# Altium PCB Dashcam_V2.0E.PcbDoc (part 8 of 8)
Units mil, origin at the board's own origin, x right, y up, seen from the top; angles counter-clockwise.
Board outline 3544.65 x 2560.37 mil, 8 copper layers (TOP, L2_GND, L3_IN1, L4_IN2, L5_PWR2, L6_PWR1, L7_GND_2, BOTTOM), stack 48.184 mil thick; 411 components, 365 nets, 2257 pads, 1045 vias.
Unrouted connection lines stored in the file: 2.
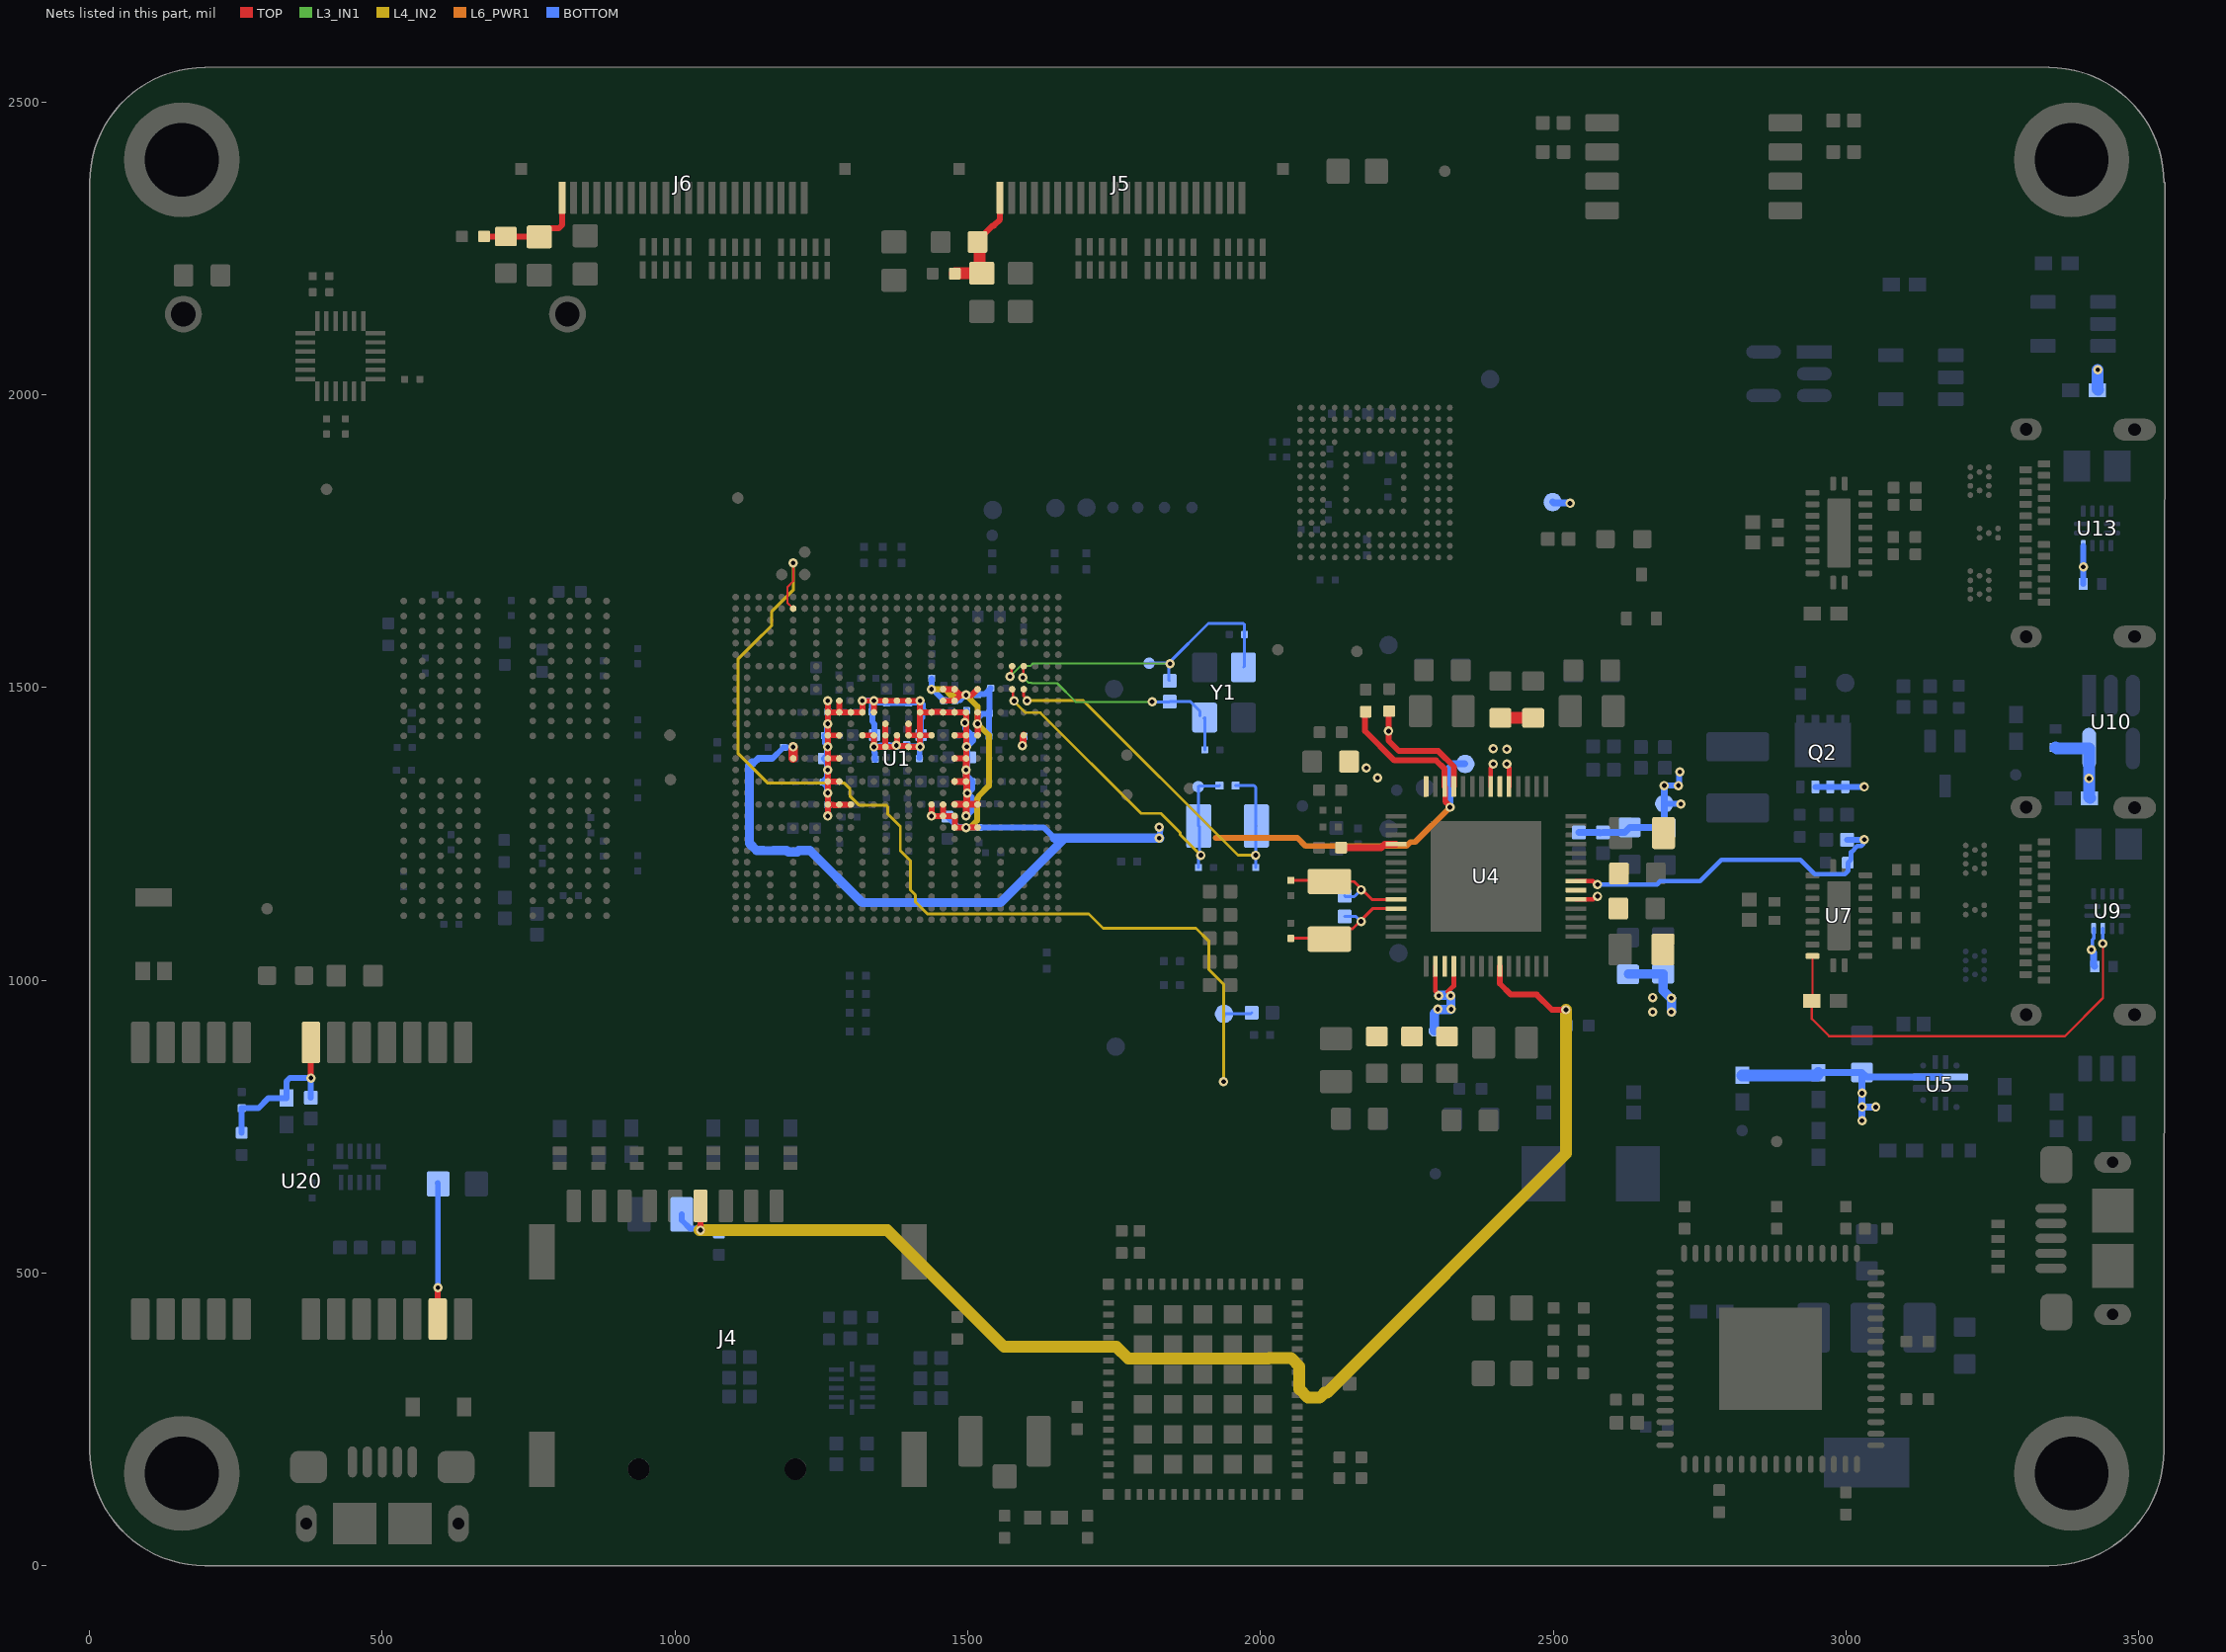
[diagram p14: the nets of this part, all layers, seen from the top]

## Via types
v1: diameter 15.98, hole 8, TOP to BOTTOM, tented both sides, 645 vias
v2: diameter 15.98, hole 7.99, TOP to BOTTOM, tented both sides, 382 vias
v3: diameter 15.98, hole 7.99, TOP to BOTTOM, 8 vias
v4: diameter 19.68, hole 7.87, TOP to BOTTOM, 6 vias
v5: diameter 19.68, hole 19.68, TOP to BOTTOM, 4 vias

## Nets (pads, with @x,y where several pads share a name; then routed paths per layer and width w, separated by ;. In a path a pad name is that pad's centre, name@x,y a point inside that pad or via, vN(x,y) a via of type N, cw(c..) or ccw(c..) an arc to the next point about the centre after c; other vN are vias at no path point) (continued)
VDD_RES: R57.1 U7.9 U9.11 | length 763.4
  TOP w4.02: U7.9@2942.91,1041.34 2942.91,965.55 R57.1@2941.93,964.57 2941.93,934.06 2971.46,904.53 3374.02,904.53 3439.24,969.75 3439.24,1062.05 v1(3438.68,1062.61)
  BOTTOM w6: v1(3438.68,1062.61) 3438.83,1062.76 3438.83,1088.43 U9.11@3438.98,1088.58
VDD_SNVS_0V8: C6.2 U1.N26 | length 35.4
  TOP w11.81: v2(1593.38,1400.81) 1594.17,1401.61 1594.17,1416.9 U1.N26@1595.58,1418.31
  BOTTOM w11.81: v2(1593.38,1400.81) 1594.17,1401.61 1594.17,1414.7 C6.2@1596.15,1416.68
VDD_SOC: C25.2 C26.2 C27.2 C28.2 C29.2 C30.2 C31.2 C32.2 C38.2 C39.2 C40.2 C41.2 C46.2 C47.2 C48.2 C49.2 C50.2 C51.2 C52.2 C53.2 C107.2 C108.2 C112.2 C113.2 L2.2 L3.2 R37.2 R38.2 TP1.1 TP40.1 U1.K10 U1.K14 U1.K15 U1.K16 U1.L9 U1.L10 U1.L11 U1.L12 U1.L13 U1.L17 U1.L18 U1.L19 U1.L20 U1.L21 U1.M14 U1.M16 U1.N9 U1.N10 U1.N12 U1.N13 U1.N14 U1.N15 U1.N16 U1.N17 U1.N18 U1.N20 U1.N21 U1.P14 U1.P16 U1.R9 U1.R10 U1.R20 U1.R21 U1.U9 U1.U10 U1.U20 U1.U21 U1.W9 U1.W10 U1.W11 U1.W20 U1.W21 U1.W22 | length 2399.4
  TOP w10: v2(1260.94,1280.51) U1.W9@1260.94,1300.2 ; v2@1260.94,1437.99 U1.L9@1260.94,1457.68 ; v2(1260.94,1477.36) U1.L9@1260.94,1457.68 ; v2(1260.98,1437.99) 1260.94,1437.95 U1.N9@1260.94,1418.31 ; U1.U10@1280.62,1339.57 U1.U9@1260.94,1339.57 ; U1.R10@1280.62,1378.94 U1.R9@1260.94,1378.94 ; U1.N10@1280.62,1418.31 U1.N9@1260.94,1418.31 ; U1.K10@1280.62,1477.36 U1.L10@1280.62,1457.68 ; U1.W11@1300.31,1300.2 1300.04,1299.93 1279.65,1299.93 1278.73,1299 1271,1299 1270.07,1299.93 1261.21,1299.93 U1.W9@1260.94,1300.2 ; U1.N12@1319.99,1418.31 U1.N13@1339.68,1418.31 v2(1339.68,1398.62) U1.P14@1359.36,1398.62 ; U1.L13@1339.68,1457.68 v2(1339.68,1477.36) ; U1.M14@1359.36,1437.99 U1.N14@1359.36,1418.31 U1.P14@1359.36,1398.62 ; U1.N15@1379.05,1418.31 v2@1379.05,1400.16 ; U1.M16@1398.73,1437.99 U1.N16@1398.73,1418.31 U1.N17@1418.42,1418.31 ; U1.L18@1437.32,1457.68 1438.36,1458.72 1454.1,1458.72 1454.88,1457.95 1457.52,1457.95 U1.L19@1457.79,1457.68 U1.L20@1477.47,1457.68 U1.L21@1497.16,1457.68 v2@1497.16,1437.99 ; U1.N18@1438.1,1418.31 U1.N17@1418.42,1418.31 ; U1.L18@1438.1,1457.68 U1.L17@1418.42,1457.68 ; U1.R20@1477.47,1378.94 U1.R21@1497.16,1378.94 ; U1.N20@1477.47,1418.31 U1.N21@1497.16,1418.31 ; v2(1494.94,1439.91) 1496.09,1438.77 1496.09,1436.97 1497.16,1435.9 U1.N21@1497.16,1418.31 ; U1.R21@1497.16,1378.16 1497.16,1378.88 U1.R21@1497.16,1378.94 ; U1.W9@1260.94,1300.2 v2(1260.94,1319.88) U1.U9@1260.94,1339.57 ; U1.U9@1260.94,1339.57 v2(1260.94,1359.25) U1.R9@1260.94,1378.94 ; U1.R9@1260.94,1378.94 v2(1260.94,1398.62) U1.N9@1260.94,1418.31 ; U1.L9@1260.94,1457.68 U1.L10@1280.62,1457.68 ; U1.L10@1280.62,1457.68 U1.L11@1300.31,1457.68 U1.L12@1319.99,1457.68 v2(1319.99,1477.36) v2(1339.68,1477.36) ; v2(1339.68,1477.36) U1.K14@1359.36,1477.36 U1.K15@1379.05,1477.36 U1.K16@1398.73,1477.36 v2(1418.42,1477.36) U1.L17@1418.42,1457.68 ; U1.P14@1359.36,1398.62 1359.63,1398.89 1374.31,1398.89 1376.5,1401.08 v2(1378.12,1401.08) v2@1379.05,1400.16 ; v2@1379.05,1400.16 1379.27,1399.94 1397.03,1399.94 1398.35,1398.62 U1.P16@1398.73,1398.62 v2(1418.42,1398.62) U1.N17@1418.42,1418.31 ; U1.N17@1418.42,1418.31 U1.L17@1418.42,1457.68 ; U1.R21@1497.16,1378.94 1497.16,1397.69 v2(1498.14,1398.68) 1497.43,1399.39 1497.43,1418.04 U1.N21@1497.16,1418.31
  TOP w11.81: U1.W20@1477.47,1300.2 U1.W21@1497.16,1300.2 ; U1.U20@1477.47,1339.57 U1.U21@1496.84,1339.57 ; U1.U21@1496.8,1339.52 U1.U21@1496.84,1339.57 ; v2(1497.16,1280.88) U1.W21@1497.16,1300.2 ; U1.R21@1497.16,1378.88 1496.8,1378.52 1497.16,1378.16 v2(1497.16,1359.25) 1497.16,1339.88 U1.U21@1496.84,1339.57 ; U1.W22@1516.84,1300.2 U1.W21@1497.16,1300.2 ; U1.U21@1496.84,1339.57 U1.U21@1497.16,1339.57 1498.34,1338.38 1498.34,1320.48 v2(1499.14,1319.68) 1498.34,1318.88 1498.34,1301.38 U1.W21@1497.16,1300.2
  BOTTOM w10: C41.2@1253.15,1338.68 1254.15,1337.67 1254.15,1336.26 1259.79,1330.62 1259.79,1321.03 v2(1260.94,1319.88) ; C41.2@1254.14,1340.68 1259.79,1346.33 1259.79,1358.11 v2(1260.94,1359.25) ; C38.2@1254.24,1378.68 1259.24,1373.68 1259.24,1362.57 1260.13,1361.68 v2@1260.94,1361.68 ; C40.2@1255.15,1417.68 1256.15,1416.67 1256.15,1405.03 1260.5,1400.68 v2@1260.94,1400.68 ; C38.2@1256.24,1380.68 1259.24,1383.68 1259.24,1384.78 1259.79,1385.33 1259.79,1397.48 v2(1260.94,1398.62) ; C40.2@1259.79,1422.33 1259.84,1422.37 1259.84,1436.85 v2(1260.98,1437.99) ; v2(1260.94,1477.36) 1261.04,1477.26 1261.04,1459.68 C39.2@1261.6,1459.13 ; v2@1261.04,1280.77 1261.04,1299.57 C47.2@1261.15,1299.68 1261.04,1299.77 v2@1261.04,1319.78 ; C39.2@1261.15,1458.68 1261.07,1458.59 1261.07,1439.75 v2@1261.88,1438.94 ; v2@1324.14,1477.68 1339.36,1477.68 v2(1339.68,1477.36) ; C28.2@1336.13,1458.68 1337.14,1457.67 1337.14,1442.15 ; C28.2@1336.14,1460.68 v2@1336.14,1472.21 ; v2@1339.14,1478.68 1339.98,1478.68 1343.99,1474.67 1360.14,1474.67 C26.2@1361.14,1473.67 ; 1339.68,1437.99 1340.36,1437.31 C25.2@1340.36,1418 ; C25.2@1341.04,1418.68 C25.2@1340.36,1418 ; C52.2@1342.14,1376.68 1341.13,1377.69 1341.13,1388.18 1340.14,1389.17 1340.14,1398.16 1339.88,1398.42 v2(1339.68,1398.62) v2@1340.14,1399.08 ; C31.2@1358.14,1400.68 1350.14,1400.68 1349.23,1399.77 1340.82,1399.77 v2@1340.14,1399.08 ; C26.2@1361.64,1473.17 1362.13,1473.67 C27.2@1399.14,1473.67 1400.15,1474.67 1414.11,1474.67 1417.11,1477.68 v2@1418.42,1477.68 ; C31.2@1362.15,1399.68 1363.29,1400.82 1377.86,1400.82 v2(1378.12,1401.08) ; v2@1378.1,1399.61 v2@1379.05,1398.67 ; v2@1379.07,1398.64 1380.19,1399.77 1395.23,1399.77 C32.2@1397.14,1401.68 ; C32.2@1399.14,1400.69 1400.15,1399.68 1417.14,1399.68 1418.14,1398.68 1419.33,1399.87 1419.33,1417.76 C29.2@1420.24,1418.68 ; C53.2@1417.14,1379.68 1417.78,1379.68 1417.78,1397.99 v2(1418.42,1398.62) ; v2(1418.42,1477.36) 1418.42,1475.74 1423.14,1471.02 C30.2@1423.14,1459.68 ; C29.2@1420.14,1419.68 1420.14,1446.68 1422.15,1448.68 1422.15,1457.67 C30.2@1423.15,1458.68 ; v2(1494.94,1439.91) 1496.09,1438.77 1496.09,1429.73 C49.2@1508.13,1417.68 ; v2@1497.16,1440.68 1496.09,1441.75 1496.09,1442.68 1497.13,1443.72 1497.13,1459.67 C48.2@1498.13,1460.68 ; TP40.1@2689.8,1301.52 2690.06,1301.26 2717.74,1301.26 v2(2718,1301) ; v2(2689.8,1332.52) v2(2713.8,1332.52) 2714.94,1333.66 2714.94,1352.72 2716.6,1354.38 v2(2716.6,1356) ; v2@1340.14,1399.08 1340.14,1417.78 C25.2@1340.36,1418
  BOTTOM w11.81: v2@1496.14,1280.68 1508.04,1292.57 1508.04,1301.58 C51.2@1508.13,1301.68 ; v2@1497.14,1356.68 1497.14,1349.67 C50.2@1507.13,1339.68 1507.04,1339.58 1507.04,1326.57 v2@1500.14,1319.68 ; v2(1497.16,1359.25) 1497.96,1360.05 v2@1497.96,1398.68 ; v2(1498.14,1398.68) 1498.14,1399.81 1508.14,1409.81 C49.2@1508.14,1415.68 ; v2(1499.14,1319.68) 1499.14,1318.55 1507.14,1310.55 C51.2@1507.14,1304.68 ; TP1.1@2499.14,1816.68 2500.47,1815.35 2527.9,1815.35 v2(2528.7,1814.55) ; R38.2@2543.8,1252.24 2579.08,1252.24 R37.2@2579.8,1251.52 ; R37.2@2584.8,1252.24 2622.02,1252.24 C108.2@2630.8,1261.02 2631.3,1260.52 C107.2@2682.8,1260.52 ; C113.2@2627.8,1010.02 C113.2@2628.3,1010.52 ; TP40.1@2689.74,1301.47 2689.74,1261.07 C107.2@2690.8,1260.02 ; TP40.1@2689.8,1301.52 v2(2689.8,1332.52)
  BOTTOM w15.75: C113.2@2628.3,1010.52 C112.2@2684.79,1010.52 ; C112.2@2687.8,1011.02 2687.8,982.52 v2@2700.8,969.52 ; v2(2701.8,945.52) v2(2701.8,969.52)
  other v2: 2669.8,945.52 2669.8,970.52
VDDA_1V8: C7.2 C33.2 C34.2 C35.2 C36.2 C37.2 C42.2 C43.2 C44.2 C45.2 C114.2 TP42.1 U1.AA20 U1.AA22 U1.J19 U1.J20 U1.J22 U1.K19 U1.K20 U1.L22 U1.N22 U1.R6 U1.W18 U1.W19 U1.Y19 U1.Y20 U4.54 | length 2911.5
  TOP w10: v2@1437.8,1280.52 1438.1,1280.83 U1.W18@1438.1,1300.2 ; v2(1438.1,1280.51) U1.Y19@1455.79,1280.51 ; U1.Y19@1457.79,1280.51 U1.Y20@1473.79,1280.51 ; U1.Y19@1457.79,1281.53 U1.W19@1457.79,1300.2 ; U1.K19@1457.79,1477.36 U1.K20@1477.47,1477.36 1477.86,1477.36 1486.56,1486.06 ; U1.J19@1457.79,1497.05 U1.J20@1477.47,1497.05 1477.86,1497.05 1486.56,1488.35 1496.01,1488.35 v2(1497.14,1487.22) ; U1.Y20@1477.47,1280.51 1477.75,1280.24 1477.75,1261.57 1478.49,1260.83 v2(1497.16,1260.83) U1.AA22@1516.84,1260.83 ; v2(1497.14,1487.22) 1507,1487.21 ; 1507.76,1488.35 1516.46,1497.05 U1.J22@1516.84,1497.05 ; U1.N22@1516.84,1418.31 v2(1516.84,1437.99) U1.L22@1516.84,1457.68 ; C114.2@2178.8,1455.52 2178.8,1425.52 2228.8,1375.52 2300.02,1375.52 2314.47,1361.07 U4.54@2314.47,1330.93 2315.54,1329.87 2315.54,1305.4 2322.65,1298.28 2322.65,1297.38 v2@2321.8,1296.52
  TOP w15.75: U1.R6@1201.88,1378.94 v2(1201.88,1398.62)
  L6_PWR1 w10: 1923.8,1243.52 2062.74,1243.52 2077.02,1229.24 2249.37,1229.24 2256.13,1236 2264.28,1236 v2(2323.8,1295.52)
  L4_IN2 w10: v2(1438.1,1497.05) 1438.25,1496.9 1461.1,1496.9 1471.92,1486.08 1497.08,1486.08 v2@1498,1487 ; v2@1496,1260 1497.97,1261.97 1505.11,1261.97 1516.16,1273.01 1516.16,1309.83 1518.14,1311.81 1518.14,1314.14 1536,1332 1536,1418.84 v2(1516.84,1437.99) ; v2(1497.14,1487.22) 1516.84,1467.52 v2@1516.84,1437.84
  BOTTOM w10: 1166.13,1378.68 C34.2@1185.13,1397.68 v2@1202.14,1397.68 ; v2@1437.44,1496.38 1437.92,1495.9 1440.92,1495.9 C43.2@1459.14,1477.69 ; v2(1438.1,1497.05) C42.2@1438.12,1514.7 ; v2@1440.14,1281.68 1440.14,1280.77 1440.87,1280.04 C33.2@1457.79,1280.04 ; C43.2@1460.15,1477.69 C44.2@1478.14,1477.69 ; C33.2@1465.14,1279.57 1482.74,1261.97 1494.85,1261.97 v2@1496.14,1260.68 ; C44.2@1480.14,1478.68 1487.01,1478.68 1495.55,1487.22 v2(1497.14,1487.22) ; v2(1497.16,1260.83) C35.2@1518.29,1260.83 ; v2@1499.14,1487.68 1499.37,1487.45 1516.9,1487.45 C45.2@1517.14,1487.69 1517.89,1488.44 1528.91,1488.44 C7.2@1537.15,1496.68 ; v2(1516.84,1437.99) 1517.99,1439.14 1517.99,1448.82 1523.85,1454.68 1534.14,1454.68 1536.15,1452.67 C36.2@1536.15,1416.68 ; C35.2@1519.14,1260.67 1630.15,1260.67 1648.14,1242.68 ; C37.2@1537.15,1455.68 C7.2@1537.15,1496.68 ; C7.2@1539.15,1498.68 C7.2@1537.15,1496.68 ; v2(1826.99,1261.52) 1826.99,1259.9 1828.8,1258.1 1828.8,1255.67 1828.14,1255.01 v2@1828.14,1243.34
  BOTTOM w11.81: 1131.64,1371.17 1134.64,1371.17 1142.14,1378.68 1166.13,1378.68 ; v2(2323.8,1295.52) 2323.8,1364.52 2328.8,1369.52 TP42.1@2348.8,1369.52
  BOTTOM w15.75: 1131.64,1371.17 1126.88,1366.41 1126.88,1233.94 1139.15,1221.68 1150.61,1221.68 1150.95,1221.34 1167.35,1221.34 1167.69,1221.68 1190.64,1221.68 1193.19,1219.13 1208.81,1219.13 1211.36,1221.68 1230.57,1221.68 1319.62,1132.64 1555.97,1132.64 1666.02,1242.68 ; 1648.14,1242.68 1666.02,1242.68 ; v2@1828.14,1242.68 1666.02,1242.68
  other v2: 1826.99,1242.68
VEXT_3V3_CAM1: C133.2 C134.2 FB1.2 J5.22 | length 197.6
  TOP w5: C134.2@1476.35,2208.55 C134.2@1477.9,2207
  TOP w10: C133.2@1516.73,2261.02 1516.73,2262.99 1542.61,2288.87 1544.58,2288.87 1555.12,2299.41 J5.22@1555.12,2336.61
  TOP w20: C134.2@1477.9,2207 1478.57,2207.68 FB1.2@1524,2207.68 1520.37,2211.31 1520.37,2257.39 C133.2@1516.73,2261.02
VEXT_3V3_CAM3: C135.2 C136.2 FB2.2 J6.22 | length 188.4
  TOP w10: C136.2@673.9,2270.46 C135.2@711,2270.46 767.21,2270.46 FB2.2@768,2269.68 782.69,2284.36 801.23,2284.36 807.09,2290.22 J6.22@807.09,2336.61
VGPS_3V3: C190.1 FB9.2 R122.2 R129.2 R130.2 U20.7 U20.23 | length 525.5
  TOP w10: U20.7@377.95,893.7 377.95,833.05 v1(378,833) ; U20.23@594.49,421.26 594.49,474.49 v1(595,475)
  BOTTOM w10: C190.1@259.84,739.37 R122.2@259.84,781.5 288.39,781.5 305.53,798.64 R130.2@336,798.64 336,827 342,833 v1(378,833) ; R129.2@377.98,799.24 v1@377.98,832.98 ; FB9.2@594.49,653.54 595,653.03 v1(595,475)
VINT: C130.2 U4.4 | length 96.6
  TOP w11.81: C130.2@2137.69,1226.52 2206.45,1226.52 2212.43,1232.5 U4.4@2231.8,1232.5
VSD_3V3: C128.2 C184.2 C185.2 J4.P4 U4.23 | length 2350.7
  TOP w10: v1@1043.5,573.17 J4.P4@1043.5,614.57 ; U4.23@2408.96,1023.84 2408.96,994.35 2427.8,975.52 2471.8,975.52 2497.8,949.52 v2(2521.8,949.52)
  L4_IN2 w20: v1@1042,573 1363,573 1562,374 1754,374 1774.05,353.95 2013.88,353.95 2014.63,354.71 2051.94,354.71 2066.5,340.15 2066.5,301.58 2081.06,287.02 2100.94,287.02 2109.42,295.5 2113.5,295.5 2521.8,703.8 v2(2521.8,949.52)
  BOTTOM w10: C184.2@1011.42,600 1011.42,590.16 1026.1,575.47 1035.94,575.47 1037.14,574.28 1041.72,574.28 v1@1043,573 ; v1@1044.01,571.99 1071.91,571.99 C185.2@1075,568.9
  BOTTOM w11.81: v2(2521.8,949.52) 2522.35,948.97 C128.2@2522.35,921.97
  other v1: 1043.47,573.13
VSYS_5V: C102.2 C105.2 C109.2 C111.2 C118.2 C119.2 C121.2 C126.2 C129.2 C137.2 C145.2 C146.2 C148.2 C149.2 Q2.S R52.2 R53.2 R59.2 R61.2 R68.2 TP49.1 U4.16 U4.17 U4.18 U4.33 U4.34 U4.35 U4.47 U4.48 U4.49 U4.53 U4.56 U5.6 U9.12 U10.5 U13.12 | length 2027.9
  TOP w8: U4.16@2298.72,1023.84 2298.72,981.28 2300,980 ; 2320,980 2330.22,990.22 U4.18@2330.22,1023.84 ; U4.49@2393.21,1330.93 2393.21,1362.78 2397.8,1367.36 v2(2397.8,1369.52) ; v2(2420.8,1369.52) 2420.8,1367.36 2424.71,1363.45 U4.47@2424.71,1330.93 ; U4.33@2538.88,1138.02 2568.13,1138.02 2573.63,1143.52 v2(2575.8,1143.52) ; U4.35@2538.88,1169.51 2567.64,1169.51 2573.63,1163.52 v2(2575.8,1163.52)
  TOP w10: C129.2@2219.8,1459.62 2219.3,1459.12 2219.3,1426.02 v2(2218.8,1425.52) 2218.8,1409.52 2236.8,1391.52 2303.73,1391.52 2330.22,1365.03 U4.53@2330.22,1330.93
  TOP w20: C126.2@2409.8,1448.02 C102.2@2465.8,1448.02
  BOTTOM w6: v1(3419.29,1052.17) 3421.19,1054.06 3421.19,1069.16 3423.23,1071.2 U9.12@3423.23,1088.58
  BOTTOM w8: v2(2575.8,1163.52) 2677.3,1163.52 2683.07,1169.29 2750.98,1169.29 2787.4,1205.71 2922.24,1205.71 2946.85,1181.1 2998.03,1181.1 3003.94,1187.01 C146.2@3003.94,1199.8 ; C146.2@3003.15,1200.79 3008.98,1206.62 3008.98,1218.56 3019.53,1229.1 3025.78,1229.1 3029.97,1233.29 3029.97,1237.65 v1@3031.5,1239.17
  BOTTOM w10: Q2.S@2947.83,1330.32 Q2.S@2947.83,1330.32 3031.45,1330.27 v1(3031.5,1330.23) ; R59.2@3001.97,1240.16 3002.01,1240.11 3031.45,1240.11 v1(3031.5,1240.07) ; C149.2@3405.51,1677 v1(3405.51,1706) U13.12@3405.51,1742.13
  BOTTOM w11.81: TP49.1@2296.8,912.52 TP49.1@2296.8,913.52 ; v2@2302.8,949.39 v2(2302.8,950.52) ; v2@2305.8,949.52 v2@2306,949.72 ; v2@2324,974.32 v2(2324.8,973.52) v2@2325.3,973.02 ; v2@2325,949.72 v2(2325.8,950.52) v2@2325.3,951.02 ; R52.2@2952.76,841.54 2953.25,842.03 3027.07,842.03 C137.2@3027.56,842.52 ; v1(3027.56,760) v1(3027.56,783.46) ; v1(3051,783.46) v1(3027.56,783.46) ; U5.6@3161.42,834.65 3035.43,834.65 C137.2@3027.56,842.52 ; v1(3419.29,1052.17) 3419.29,1051.04 3423.23,1047.1 3423.23,1025.59 C145.2@3425.2,1023.62 ; v1(3027.56,783.46) v1(3027.56,807) C137.2@3027.56,842.52
  BOTTOM w15.75: TP49.1@2296.8,913.52 2296.8,943.39 v2@2302.8,949.39 ; v2@2304.8,974.32 v2@2324,974.32 ; v2@2306,949.72 v2@2325,949.72 ; v2@2325.3,951.02 v2@2325.3,973.02
  BOTTOM w20: R53.2@2822.83,837.6 2950.94,837.6 2952.76,839.41 R52.2@2952.76,841.54 ; C148.2@3358.27,1397.64 3360.26,1395.65 U10.5@3415.35,1395.65 3415.35,1312.83 3417.17,1311.02 R61.2@3417.32,1311.02 ; v1(3430.12,2042.61) 3430.12,2009.69 3430.94,2008.86 R68.2@3431.1,2008.86
  other v1: 3415.35,1344.49
  other v2: 2304.8,973.52 2199.8,1345.52 2180.8,1362.52 2420.8,1394.52 2397.8,1395.52
WDOG_B: R44.1 TP55.1 U1.B6 | length 1875.8
  TOP w3: 1192,1644.73 1192,1671.45
  TOP w3.35: 1192,1644.73 U1.B6@1200.9,1635.83 ; 1192,1671.45 1201.77,1681.22 v1(1201.77,1712.6)
  L4_IN2 w5: v1@1203.74,1711.61 1201.77,1709.65 1201.77,1666.34 1165.35,1629.92 1165.35,1606.02 1148.83,1589.5 1148.56,1589.5 1107.28,1548.23 1107.28,1387.8 1158.46,1336.61 1289.37,1336.61 1298.73,1327.26 1298.73,1314.46 1313.98,1299.21 1360.57,1299.21 1363.5,1296.28 1363.5,1284.14 1384.84,1262.8 1384.84,1221.11 1401.92,1204.03 1401.92,1154.1 1410.43,1145.59 1410.43,1133.86 1431.1,1113.19 1706.69,1113.19 1731.3,1088.58 1890.06,1088.58 1911.42,1067.23 1911.42,1018.7 1937.01,993.11 v1(1937.01,826.77)
  BOTTOM w5: v1(1937.01,826.77) 1937.4,827.17 1937.4,937.43 1937.8,937.82 TP55.1@1937.8,942.52 ; TP55.1@1937.7,942.62 1983.18,942.62 R44.1@1985.08,944.52
XIN_32K: C131.2 R50.1 U4.10 Y3.1 | length 226.8
  TOP w5: C131.2@2051.8,1170.51 2116.02,1170.51 Y3.1@2117.8,1168.73 2117.98,1168.55 2159.77,1168.55 2190.3,1138.02 U4.10@2231.8,1138.02
  BOTTOM w5: R50.1@2143.8,1144.24 2145.13,1142.9 2160.18,1142.9 v2(2171.8,1154.52)
XOUT_32K: C132.2 R50.2 U4.11 Y3.2 | length 245.1